# Altium PCB LoRaBoard.PcbDoc (part 1 of 2) (continued)
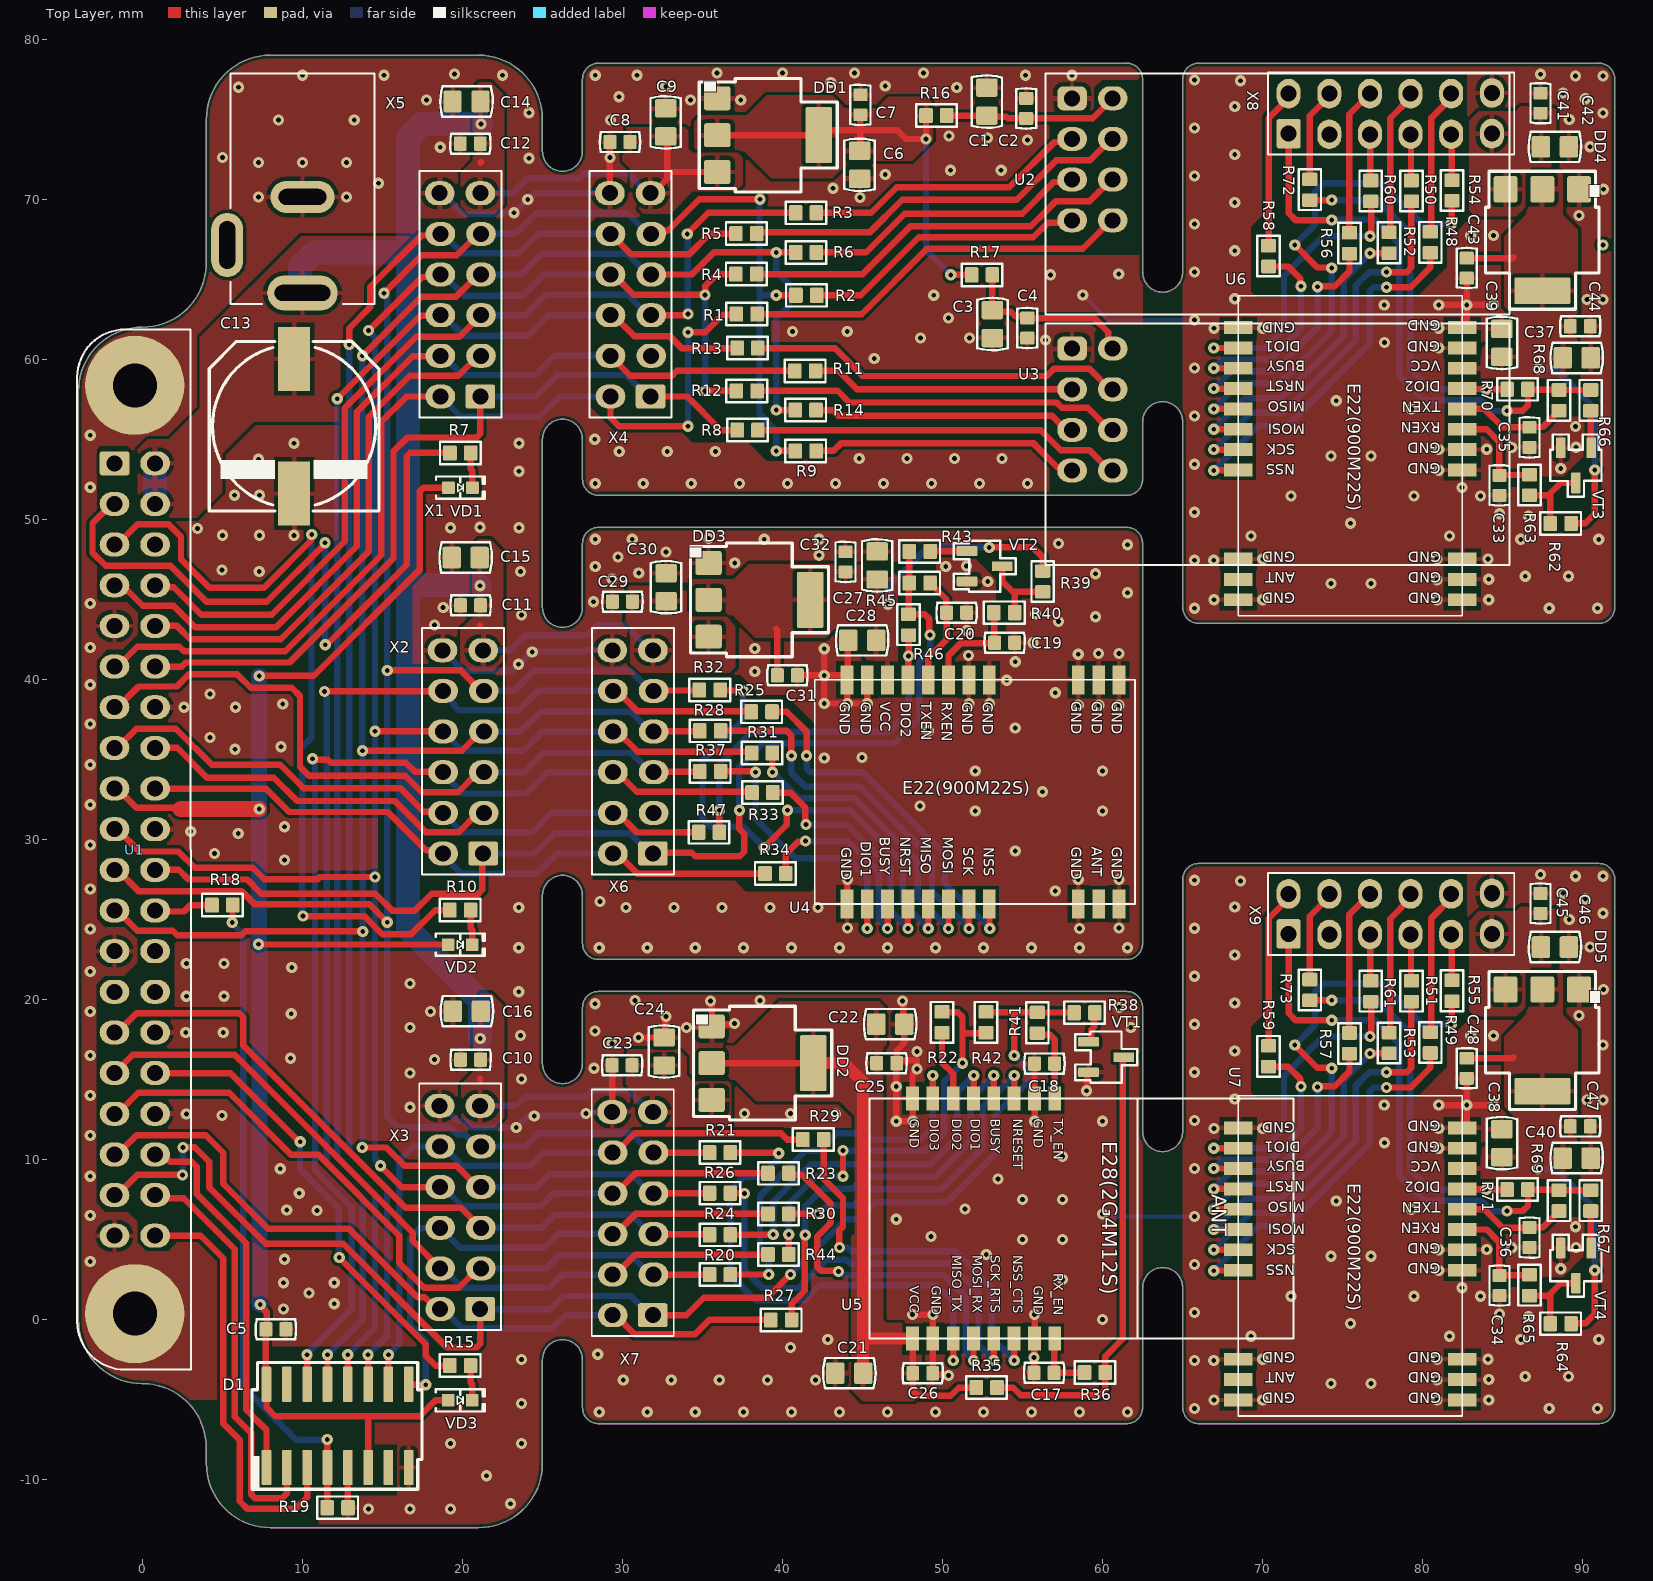
[diagram p0: Top Layer view]
## Footprints (in the part's own frame and the unit in brackets; to place one, negate y for a bottom-side part, rotate by r counter-clockwise, add the part's x,y. Pads: shape width x height; smd on the part's side, far side on the other; paste and mask are expansions set on the pad)
"CAP 0603_1608 RF" [mm] "Chip Capacitor, 2-Leads, Body 1.60x0.80mm, IPC High Density"
  rrect20% 0.8x0.9 smd: 1(-0.625,0) 2(0.625,0)
  silkscreen extent -1.26,-0.63 1.26,0.63, body extent -0.8,-0.41 0.8,0.41, height 0.82
"CAP 0805" [mm] "Chip Capacitor, 2-Leads, Body 2.00x1.20mm, IPC Medium Density"
  rrect20% 1.15x1.35 smd: 1(-0.875,0) 2(0.875,0)
  silkscreen extent -1.64,-0.95 1.64,0.95, body extent -1,-0.64 1,0.64, height 1.26
"CAP ALSMD ELEC 10.5x10.0 mm" [mm] "Electrolytic Cap, 10.3mm, L: 10mm"
  rect 4x2 smd: 1(-4.2,0) 2(4.2,0)
  silkscreen extent -5.3,-5.3 5.3,5.3, body extent -5.9,-5.25 5.9,5.25, height 10.5
DC-005-5A-2.5 [mm]
  oval 2.2x4.4 hole 1 slot 3.5 at 90 deg: 1(6,0)
  oval 2x4 hole 1 slot 3 at 90 deg: 2(0,0)
  oval 4x2 hole 1 slot 3 at 0 deg: 3(3,-4.7)
  silkscreen extent -7.7,-4.5 6.7,4.5, body extent -7.58,-4.85 7.02,4.5, height 11
"E22 900M22S" [mm] "20mm*14mm*2.8mm-S"
  rect 0.8x1.8 smd: 1(0,0) 2(-1.27,0) 3(-2.54,0) 4(-8.11,0) 5(-9.38,0) 6(-10.65,0) 7(-11.92,0) 8(-13.19,0) 9(-14.46,0) 10(-15.73,0) 11(-17,0) 12(-17,-14) 13(-15.73,-14) 14(-14.46,-14) 15(-13.19,-14) 16(-11.92,-14) 17(-10.65,-14) 18(-9.38,-14) 19(-8.11,-14) 20(-2.54,-14) 21(-1.27,-14) 22(0,-14)
  silkscreen extent -19,-14 1,0, body extent -19,-14 1,0, height 3.13
"E28 2G4M20S" [mm] "26.5mm*15mm*2.85mm-S"
  rect 0.8x1.5 smd: 1(-4.445,-7.5) 2(-3.175,-7.5) 3(-1.905,-7.5) 4(-0.635,-7.5) 5(0.635,-7.5) 6(1.905,-7.5) 7(3.175,-7.5) 8(4.445,-7.5) 9(4.445,7.5) 10(3.175,7.5) 11(1.905,7.5) 12(0.635,7.5) 13(-0.635,7.5) 14(-1.905,7.5) 15(-3.175,7.5) 16(-4.445,7.5)
  silkscreen extent -7.13,-7.5 19.37,7.5, body extent -7.14,-7.49 19.36,7.51, height 2.9
"LED 0603_1608 GREEN" [mm] "Chip Diode, 2-Leads, Body 1.60x0.80mm, IPC Medium Density"
  rrect20% 0.8x0.8 smd: 1(-0.75,0) 2(0.75,0)
  silkscreen extent -1.52,-0.7 1.52,0.7, body extent -0.8,-0.4 0.8,0.4, height 0.53
MODULE_RASPBERRYPI3_B+ [mm]
  rrect20% 1.5x1.85 hole 1: 1(-24.13,-1.27)
  oval 1.5x1.85 hole 1: 2(-24.13,1.27) 3(-21.59,-1.27) 4(-21.59,1.27) 5(-19.05,-1.27) 6(-19.05,1.27) 7(-16.51,-1.27) 8(-16.51,1.27) 9(-13.97,-1.27) 10(-13.97,1.27) 11(-11.43,-1.27) 12(-11.43,1.27) 13(-8.89,-1.27) 14(-8.89,1.27) 15(-6.35,-1.27) 16(-6.35,1.27) 17(-3.81,-1.27) 18(-3.81,1.27) 19(-1.27,-1.27) 20(-1.27,1.27) 21(1.27,-1.27) 22(1.27,1.27) 23(3.81,-1.27) 24(3.81,1.27) 25(6.35,-1.27) 26(6.35,1.27) 27(8.89,-1.27) 28(8.89,1.27) 29(11.43,-1.27) 30(11.43,1.27) 31(13.97,-1.27) 32(13.97,1.27) 33(16.51,-1.27) 34(16.51,1.27) 35(19.05,-1.27) 36(19.05,1.27) 37(21.59,-1.27) 38(21.59,1.27) 39(24.13,-1.27) 40(24.13,1.27)
  round 6.2 hole 2.75: S1(-29,0) S2(29,0)
  silkscreen extent -32.5,-3.6 32.5,3.5, body extent -35.01,-54.97 54.41,3.5, height 14
NRF24L01P-MODULE [mm]
  rrect50% 1.85x1.5 hole 1: 1(-15.284,5.669)
  oval 1.85x1.5 hole 1: 2(-12.745,5.669) 3(-15.284,3.129) 4(-12.745,3.129) 5(-15.284,0.589) 6(-12.745,0.589) 7(-15.284,-1.951) 8(-12.744,-1.951)
  silkscreen extent -16.95,-7.85 12.05,7.22, body extent -16.91,-7.83 12.09,7.17, height 3.52
PLD_12_elipse [mm]
  rrect20% 1.85x1.5 hole 1: 1(-1.25,6.35)
  oval 1.85x1.5 hole 1: 2(1.25,6.35) 3(-1.29,3.81) 4(1.25,3.81) 5(-1.29,1.27) 6(1.25,1.27) 7(-1.29,-1.27) 8(1.25,-1.27) 9(-1.29,-3.81) 10(1.25,-3.81) 11(-1.25,-6.35) 12(1.29,-6.35)
  silkscreen extent -2.56,-7.75 2.56,7.65, body extent -2.52,-7.62 2.56,7.62, height 8.7
"RES 0603_1608" [mm] "Chip Resistor, 2-Leads, Body 1.60x0.80mm, IPC Medium Density"
  rrect20% 0.85x0.95 smd: 1(-0.65,0) 2(0.65,0)
  silkscreen extent -1.27,-0.7 1.27,0.7, body extent -0.8,-0.4 0.8,0.4, height 0.45
SO-16 [mm] "Small Outline; 16 Leads; Body Width 3.9 mm; Pitch 1.27 mm"
  rrect20% 0.6x2.2 smd: 1(-4.445,-2.6) 2(-3.175,-2.6) 3(-1.905,-2.6) 4(-0.635,-2.6) 5(0.635,-2.6) 6(1.905,-2.6) 7(3.175,-2.6) 8(4.445,-2.6) 9(4.445,2.6) 10(3.175,2.6) 11(1.905,2.6) 12(0.635,2.6) 13(-0.635,2.6) 14(-1.905,2.6) 15(-3.175,2.6) 16(-4.445,2.6)
  silkscreen extent -5.35,-3.97 5.27,3.96, body extent -4.95,-3.05 5.05,3.15, height 1.64
SOT23-3 [mm]
  rrect20% 0.6x1.3 smd: 1(-0.95,-1.1) 2(0.95,-1.1) 3(0,1.1)
  silkscreen extent -1.6,-1.93 1.6,1.96, body extent -1.56,-1.25 1.56,1.25, height 1.1
SOT223 [mm]
  rrect20% 1.5x1.65 smd: 1(-2.3,-3.175) 2(0,-3.175) 3(2.3,-3.175)
  rrect10% 3.5x1.65 smd: 4(0,3.175)
  silkscreen extent -3.55,-4.3 3.55,4.33, body extent -3.35,-3.48 3.35,3.48, height 1.8

## Part data
C1 C3 C6 C9 C14 C15 C16 C21 C22 C24 C27 C28 C30 C37 C38 C39 C40 C42 C46: library part Capacitor, "10мкФ X5R 16В 10% 0805, CC0805KKX5R7BB106", Part Number=CC0805KKX5R7BB106
C2 C4 C5 C7 C8 C10 C11 C12 C17 C18 C19 C20 C23 C25 C26 C29 C31 C32 C33 C34 C35 C36 C41 C43 C44 C45 C47 C48: library part Capacitor, "CC0603JPX7R9BB104, 50V 100nF X7R 5% 0603", Part Number=CC0603JPX7R9BB104
C13: library part "CAP ALSMD ELEC", "ECAP SMD, 330 мкФ, 35 В, 105°C, 20% 10x10.5мм, JCK1V331M100105", Part Number="ECAP SMD, 330 мкФ, 35 В, 105°C, 20% 10x10.5мм, JCK1V331M100105"
D1: "3-to-8 line decoder/demultiplexer"
DD1 DD2 DD3 DD4 DD5: "800mA Low-Dropout Linear Regulator"
R1 R2 R3 R4 R5 R6 R8 R9 R11 R12 R13 R14 R16 R17 R20 R21 R22 R23 R24 R25 R26 R27 R28 R29 R30 R31 R32 R33 R34 R36 R37 R40 R41 R44 R45 R47 R48 R49 R50 R51 R52 R53 R54 R55 R56 R57 R58 R59 R60 R61 R63 R65 R68 R69 R72 R73: library part Resistor, "0.1Вт 0603 100 Ом, 5%, RC0603JR-07100RL", Part Number=RC0603JR-07100RL, Type=Резистор
R7 R10 R15: library part Resistor, "0.1Вт 0603 100 Ом, 5%, RC0603JR-07470RL", Part Number=RC0603JR-07470RL, Type=Резистор
R18 R19 R38 R42 R43 R46 R66 R67 R70 R71: library part Resistor, "0.1Вт 0603 1 кОм, 5%, RC0603JR-071KL", Part Number=RC0603JR-071KL, Type=Резистор
R35 R39 R62 R64: library part Resistor, "0.1Вт 0603 100 кОм, 5%, RC0603JR-071KL", Part Number=RC0603JR-07100KL, Type=Резистор
U1: "1.4GHz 64-bit quad-core processor, dual-band wireless LAN, Bluetooth 4.2/BLE, faster Ethernet, and Power-over-Ethernet support (with separate PoE HAT)", Package=None, Availability=Unavailable, MF="Raspberry Pi Foundation (NF)", MP=RASPBERRYPI3_B+, Price=None, SnapEDA_Link=https://www.snapeda.com/parts/RASPBERRYPI4%204GB/Raspberry%20Pi/view-part/3832294/?ref=snap
U2 U3: "- Transceiver For Use With nRF24L01+", Package=None, Availability=Bad, MF="Nordic Semiconductor", Mouser-Purchase-URL=https://snapeda.com/shop?store=Mouser&id=230534, MP=NRF24L01P-MODULE-PCB, Price=None, SnapEDA_Link=https://www.snapeda.com/parts/NRF24L01P-MODULE-PCB/Nordic%20Semiconductor%20ASA/view-part/230534/?ref=snap
U4 U6 U7: "E22-900M22S Ebyte -147dBm 22.3dBm 7km SPI SMD,14x20mm LoRa Modules", Manufacturer=EBYTE, Package=14x20mm, Temperature Range="-40…+85 °C", Number of Pins=22, Number of Rows=2, Part Number=E22-900M22S, Pitch=1.27
U5: "E28-2G4M20S Ebyte  -132dBm 21dBm 6km SPI SMD,15x26.5mm LoRa Modules", Manufacturer=EBYTE, Package=15x26.5mm, Temperature Range="-40…+85 °C", Number of Pins=16, Number of Rows=2, Part Number=E28-2G4M20S, Pitch=1.27
VT1 VT2 VT3 VT4: library part 2N7002ET1G, "MOSFET-N-60V-0.3A", Drain Current=0.3A, Drain Source Voltage=60V, Gate Source Voltage=±20V, Manufacturer="ON Semiconductor", On Drain Source Resistance=0.2Ohm, Package=SOT-23, Power Disspansion=0.5W, Temperature Range=-55…+150°C, Number of Channels=1, Part Number=2N7002ET1G, Polarity=N-Channel
X1 X2 X3 X4 X6 X7 X8 X9: library part PLD-12, "2.54mm PIN Header 2X6P Straight Type H=2.5mm Full Gold Flash Plating.", Published=07.03.2013, Publisher="Andrew Danich", Type=Вилка
X5: "DC Power Receptacle Jack, Through Hole, Right Angle", MP=DC-005-5A-2.5

## Via types
v1: diameter 0.7, hole 0.3, Top Layer to Bottom Layer, tented both sides, 612 vias

## Nets (pads, with @x,y where several pads share a name; then routed paths per layer and width w, separated by ;. In a path a pad name is that pad's centre, name@x,y a point inside that pad or via, vN(x,y) a via of type N, cw(c..) or ccw(c..) an arc to the next point about the centre after c; other vN are vias at no path point)
3V3: C5.2 D1.6 D1.16 U1.17 VD1.1 VD2.1 VD3.1 | length 102
  Top Layer w0.4: U1.17@-1.74,33.18 -1.565,33.18 -0.365,31.98 2.32,31.98 2.4,31.9 ; v1(7.264,23.453) 7.28,23.437 19.092,23.437 VD2.1@19.108,23.421 ; v1(7.304,40.221) 10.712,40.221 17.321,46.83 17.321,51.744 17.555,51.978 VD1.1@19.12,51.978 ; v1(7.373,0.94) 7.373,0.859 7.762,0.47 7.762,-0.566 C5.2@7.718,-0.61 ; C5.2@7.708,-0.642 7.708,-3.993 D1.16@7.757,-4.042 7.757,-5.482 8.307,-6.032 14.107,-6.032 17.325,-6.032 18.316,-5.041 VD3.1@19.11,-5.041 ; D1.6@14.107,-9.242 14.107,-6.107
  Top Layer w1: 2.4,31.9 v1(7.3,31.9)
  Bottom Layer w1: v1(7.304,40.221) 7.304,40.195 7.3,40.19 v1(7.3,31.9) 7.3,23.49 v1(7.264,23.453) 7.318,23.399 7.318,0.996 v1(7.373,0.94)
3V3_1: C1.2 C2.2 R16.2 U2.2 | length 11
  Top Layer w0.4: R16.2@50.263,75.226 C1.2@52.763,75.226 52.838,75.151 53.963,75.151 54.063,75.051 C2.2@55.218,75.051 55.418,75.051 59.377,75.051 U2.2@60.631,76.305
3V3_2: C3.2 C4.2 R17.2 U3.2 | length 11.1
  Top Layer w0.4: R17.2@53.113,65.276 C3.2@53.113,63.076 53.21,62.979 54.245,62.979 54.539,62.685 55.185,62.685 C4.2@55.294,62.577 59.462,62.577 60.353,61.686 60.353,60.942 U3.2@60.629,60.666
3V3_3: C27.2 C28.2 C31.2 C32.2 DD3.2 DD3.4 R39.1 U4.9 | length 15.8
  Top Layer w0.4: 39.613,43.17 39.677,43.107 C31.2@39.677,40.25 ; v1(52.912,48.244) 55.646,48.244 56.239,47.651 56.239,46.786 R39.1@56.256,46.769
  Bottom Layer w0.4: v1(46.587,44.694) 46.602,44.709 46.602,45.794 49.052,48.244 v1(52.912,48.244)
3V3_4: C21.2 C22.2 C25.2 C26.2 DD2.2 DD2.4 R35.1 U5.1 | length 38.8
  Top Layer w0.4: DD2.2@35.568,16.023 DD2.4@41.918,16.023 ; U5.1@48.121,-1.177 48.131,-1.187 48.131,-3.342 C26.2@48.141,-3.352 48.141,-4.457 48.434,-4.75 50.5,-4.75 51,-4.25 R35.1@52.1,-4.25
  Top Layer w0.75: DD2.4@41.918,16.023 43.868,16.023 45.025,14.867 45.025,-1.187 45.025,-3.325 C21.2@45.05,-3.35 ; 45.041,-1.187 U5.1@48.131,-1.187 ; C22.2@45.855,18.458 C22.2@45.868,18.446
3V3_5: C38.2 C40.2 C47.2 C48.2 DD5.2 DD5.4 R64.1 U7.9 | length 15.8
  Top Layer w0.4: C48.2@82.75,16.323 85.606,16.323 85.67,16.387 ; R64.1@89.269,-0.256 89.286,-0.239 90.151,-0.239 90.744,0.354 v1(90.744,3.088)
  Bottom Layer w0.4: v1(87.194,9.413) 87.209,9.398 88.294,9.398 90.744,6.948 v1(90.744,3.088)
3V3_6: C37.2 C39.2 C43.2 C44.2 DD4.2 DD4.4 R62.1 U6.9 | length 15.8
  Top Layer w0.4: C43.2@82.75,66.323 85.606,66.323 85.67,66.387 ; R62.1@89.269,49.744 89.286,49.761 90.151,49.761 90.744,50.354 v1(90.744,53.088)
  Bottom Layer w0.4: v1(87.194,59.413) 87.209,59.398 88.294,59.398 90.744,56.948 v1(90.744,53.088)
5V0: C8.2 C9.2 C10.2 C11.2 C12.2 C13.1 C14.2 C15.2 C16.2 C23.2 C24.2 C29.2 C30.2 DD1.3 DD2.3 DD3.3 U1.2 U1.4 X1.11 X2.11 X3.11 X4.11 X5.1 X6.11 X7.11 | length 122.5
  Top Layer w0.4: C15.2@21.077,47.613 C15.2@21.088,47.602 ; v1@21.088,45.863 v1@21.116,45.835 ; 21.101,43.316 21.094,43.323 21.113,43.343 ; 21.108,15.03 21.121,15.042 ; C11.2@21.113,44.602 C11.2@21.133,44.621 C11.2@21.116,44.638 ; X1.11@21.12,70.376 X1.11@21.144,70.4 ; C10.2@21.121,16.23 C10.2@21.133,16.243 C10.2@21.121,16.254 ; v1@21.121,17.558 v1(21.11,17.57) v1@21.131,17.592 ; C16.2@21.131,19.245 C16.2@21.153,19.266 ; C14.2@21.131,76.108 C14.2@21.146,76.093 ; C12.2@21.137,73.499 C12.2@21.115,73.477 C12.2@21.141,73.451 ; v1@21.137,74.679 v1(21.16,74.701) v1@21.146,74.716 ; 21.141,72.328 21.167,72.302 21.144,72.278 ; X2.11@21.288,41.826 X2.11@21.295,41.819 ; C8.2@30.463,73.576 30.463,73.6 C8.2@30.613,73.75 ; X4.11@31.753,70.376 31.888,70.376 32.788,71.276 32.788,71.651 ; C9.2@32.525,73.75 C9.2@32.7,73.925 32.788,73.837 32.788,71.651 ; DD1.3@35.921,71.701 32.838,71.701 32.788,71.651
  Bottom Layer w0.4: X3.11@21.11,13.357 23.357,13.357 23.925,13.925 27.727,13.925 28.127,14.325 30.364,14.325 31.716,12.973 X7.11@31.891,12.973 ; X1.11@21.12,70.376 23.128,70.376 24.063,71.312 27.312,71.312 27.625,71.625 30.329,71.625 31.578,70.376 X4.11@31.753,70.376 ; X2.11@21.295,41.819 22.994,41.819 23.944,42.769 27.798,42.769 28.425,43.396 30.15,43.396 31.727,41.819 X6.11@31.902,41.819
  Bottom Layer w1.5: U1.4@0.8,50.96 U1.2@0.8,53.5 ; X5.1@10.004,64.143 9.864,64.283 9.864,65.802 10.743,66.681 16.606,66.681 ; v1(21.099,45.852) 21.066,45.886 16.606,45.886 ; v1(21.11,17.57) 21.11,19.908 16.606,24.412 16.606,45.886 ; v1(21.16,74.701) 21.146,74.716 17.485,74.716 16.606,73.837 16.606,66.681 ; 16.606,45.886 16.606,66.681
5V0_5: C45.2 C46.2 DD5.3 X9.11
5V0_6: C41.2 C42.2 DD4.3 X8.11
\C\S\3: D1.4 R18.1 R19.1 | length 41.1
  Top Layer w0.4: v1(5.618,24.813) 5.634,24.83 5.634,25.884 R18.1@5.65,25.9 ; v1(11.552,-7.5) 11.559,-7.508 11.559,-9.234 D1.4@11.567,-9.242 11.559,-9.249 11.559,-11.559 R19.1@11.6,-11.6
  Bottom Layer w0.4: v1(5.618,24.813) 5.618,24.759 6.3,24.077 6.3,-4.2 9.6,-7.5 v1(11.552,-7.5)
BUSY_1: R1.2 U1.11 X1.2 X4.2 | length 59.9
  Top Layer w0.4: U1.11@-1.74,40.8 -1.565,40.8 -0.321,42.044 2.315,42.044 2.601,41.758 8.927,41.758 14.933,47.764 14.933,56.09 16.519,57.676 X1.2@18.62,57.676 ; X4.2@29.253,57.676 29.253,56.342 29.778,55.817 v1(34.096,55.817) ; v1(34.096,61.684) 35.163,61.684 36.253,62.775 37.062,62.775 R1.2@37.113,62.826
  Bottom Layer w0.4: X1.2@18.62,57.676 19.895,56.401 24.792,56.401 26.067,57.676 X4.2@29.253,57.676 ; v1(34.096,55.817) v1(34.096,61.684)
BUSY_2: R8.2 U1.12 X1.1 X4.1 | length 50.6
  Top Layer w0.4: U1.12@0.8,40.8 2.449,40.8 2.706,41.057 9.191,41.057 15.696,47.562 15.696,54.246 16.563,55.114 20.885,55.114 21.12,55.348 X1.1@21.12,57.676 ; X4.1@31.753,57.676 34.04,57.676 36.14,55.576 R8.2@37.163,55.576
  Bottom Layer w0.4: X1.1@21.12,57.676 24.576,57.676 25.916,59.016 30.238,59.016 31.578,57.676 X4.1@31.753,57.676
BUSY_3: R34.2 U1.18 X2.2 X6.2 | length 41.4
  Top Layer w0.4: U1.18@0.8,33.18 7.714,33.18 9.177,31.717 15.332,31.717 17.72,29.329 18.585,29.329 X2.2@18.795,29.119 ; X6.2@29.402,29.119 29.677,29.119 30.927,27.869 R34.2@38.902,27.869
  Bottom Layer w0.4: X2.2@18.795,29.119 18.795,28.997 19.922,27.869 24.639,27.869 25.889,29.119 X6.2@29.402,29.119
BUSY_4: R27.2 U1.35 X3.2 X7.2 | length 48.8
  Top Layer w0.4: U1.35@-1.74,10.32 -1.565,10.32 -0.365,11.52 3.954,11.52 3.962,11.511 5.054,10.419 5.054,8.481 7.853,5.683 12.91,5.683 17.196,1.397 17.65,1.397 18.39,0.657 X3.2@18.61,0.657 ; X7.2@29.391,0.273 29.566,0.273 30.766,-0.927 34.525,-0.927 35.434,-0.018 R27.2@39.266,-0.018
  Bottom Layer w0.4: X3.2@18.61,0.657 18.785,0.657 19.985,-0.543 25.632,-0.543 26.448,0.273 X7.2@29.391,0.273
BUSY_5: R59.2 X9.2 | length 10
  Top Layer w0.4: R59.2@70.369,17.098 70.369,25.073 71.619,26.323 X9.2@71.619,26.598
BUSY_6: R58.2 X8.2 | length 10
  Top Layer w0.4: R58.2@70.369,67.098 70.369,75.073 71.619,76.323 X8.2@71.619,76.598
C\S\_\1\: D1.11 R5.1 X1.10 X4.10 | length 96.9
  Top Layer w0.4: v1(12.929,60.928) 12.929,61.945 14.248,63.265 14.248,64.542 17.439,67.733 18.517,67.733 X1.10@18.62,67.836 ; D1.11@14.107,-4.042 v1(14.107,-2.2) ; X4.10@29.253,67.836 30.538,66.551 34.158,66.551 35.458,67.851 R5.1@37.088,67.851
  Bottom Layer w0.4: v1(12.929,60.928) 12.929,10.498 15.285,8.142 15.285,-1.022 v1(14.107,-2.2) ; X1.10@18.62,67.836 18.795,67.836 19.995,66.636 23.528,66.636 24.728,67.836 X4.10@29.253,67.836
C\S\_\2\: D1.12 R13.1 X1.6 X4.6 | length 92.3
  Top Layer w0.4: v1(12.179,57.539) 17.364,62.725 18.588,62.725 X1.6@18.62,62.756 ; D1.12@12.837,-4.042 v1(12.837,-2.2) ; X4.6@29.253,62.756 29.428,62.756 30.733,61.451 32.938,61.451 33.688,60.701 R13.1@37.163,60.701
  Bottom Layer w0.4: v1(12.179,57.539) 12.179,10.161 14.534,7.805 14.534,-0.502 v1(12.837,-2.2) ; X1.6@18.62,62.756 18.795,62.756 20.07,61.481 24.082,61.481 25.357,62.756 X4.6@29.253,62.756
C\S\_\3\: D1.13 R25.2 X2.10 X6.10 | length 73.5
  Top Layer w0.4: v1(11.389,39.237) 11.41,39.258 18.774,39.258 X2.10@18.795,39.279 ; D1.13@11.567,-4.042 v1(11.567,-2.2) ; X6.10@29.402,39.279 29.677,39.279 30.937,38.019 37.998,38.019 R25.2@38.043,37.974
  Bottom Layer w0.4: v1(11.389,39.237) 11.446,39.18 11.446,38.968 11.522,38.892 11.522,9.788 13.772,7.537 13.772,0.006 v1(11.567,-2.2) ; X2.10@18.795,39.279 18.795,39.157 19.496,38.456 19.496,38.362 19.779,38.079 23.522,38.079 24.722,39.279 X6.10@29.402,39.279
C\S\_\4\: D1.10 R29.1 X3.10 X7.10 | length 41.3
  Top Layer w0.4: D1.10@15.377,-4.042 v1(15.377,-2.2) ; X7.10@29.391,10.433 29.566,10.433 30.766,11.633 39.907,11.633 40.292,11.248 R29.1@41.268,11.248
  Bottom Layer w0.4: v1(15.377,-2.2) 16.06,-1.516 16.06,9.942 16.935,10.817 X3.10@18.61,10.817 18.785,10.817 19.985,9.617 24.267,9.617 25.083,10.433 X7.10@29.391,10.433
C\S\_\5\: R49.2 X9.10 | length 9.2
  Top Layer w0.4: R49.2@80.474,17.957 80.519,18.002 80.519,25.063 81.779,26.323 X9.10@81.779,26.598
C\S\_\6\: R48.2 X8.10 | length 9.2
  Top Layer w0.4: R48.2@80.474,67.957 80.519,68.002 80.519,75.063 81.779,76.323 X8.10@81.779,76.598
CE_1: R3.1 U1.8 X1.5 X4.5 | length 60.1
  Top Layer w0.4: U1.8@0.8,45.88 0.916,45.764 1.968,45.764 3.685,44.048 8.08,44.048 12.655,48.623 12.655,56.955 17.116,61.416 19.816,61.416 21.156,62.756 X1.5@21.16,62.756 ; X4.5@31.793,62.756 33.972,62.756 34.042,62.826 v1(34.096,62.826) ; v1(34.042,67.836) 34.042,67.84 35.353,69.151 R3.1@40.818,69.151
  Bottom Layer w0.4: X1.5@21.16,62.756 23.937,62.756 25.216,64.036 30.338,64.036 31.618,62.756 X4.5@31.793,62.756 ; v1(34.042,67.836) 34.069,67.809 34.069,62.853 v1(34.096,62.826)
CE_2: R11.1 U1.7 X1.4 X4.4 | length 56.4
  Top Layer w0.4: U1.7@-1.74,45.88 -1.267,45.88 -0.866,45.479 -0.857,45.479 0.017,44.605 1.951,44.605 3.295,43.261 8.35,43.261 13.4,48.31 13.4,56.712 16.888,60.2 X1.4@17.9,60.2 ; X1.4@18.613,60.21 X1.4@18.62,60.216 ; X4.4@29.253,60.216 30.493,58.976 33.088,58.976 33.388,59.276 R11.1@40.763,59.276
  Bottom Layer w0.4: X1.4@18.62,60.216 18.795,60.216 19.995,59.016 24.544,59.016 25.744,60.216 X4.4@29.253,60.216
DI2_3: R46.1 R47.2 U4.8 | length 23.7
  Top Layer w0.4: v1(36.052,31.819) v1(36.052,31.819) R47.2@36.054,30.444 R47.2@36.054,30.444 ; U4.8@47.832,39.969 47.854,39.992 47.854,41.447 v1(47.877,41.469) R46.1@47.877,42.769
  Bottom Layer w0.4: v1(36.052,31.819) 36.052,34.676 38.096,36.721 46.621,36.721 47.877,37.977 v1(47.877,41.469)
DI2_4: R22.2 R42.1 R44.2 | length 26.3
  Top Layer w0.4: R44.2@40.391,4.063 v1(40.391,5.326) ; v1(43.775,8.953) v1(43.775,10.569) ; R22.2@49.966,19.223 50.162,19.223 50.191,19.194 50.948,19.194 51.241,18.902 51.241,17.898 ; v1(51.241,16.023) 51.241,17.898 ; R42.1@52.716,17.923 52.691,17.898 51.241,17.898
  Bottom Layer w0.4: v1(40.391,5.326) 40.391,7.234 42.112,8.954 v1(43.775,8.953) v1(43.775,8.953) ; v1(43.775,10.569) 43.801,10.543 48.968,10.543 50.115,11.69 50.115,14.898 v1(51.241,16.023)
DI2_5: R71.1 R73.2 U7.8 | length 23.7
  Top Layer w0.4: R73.2@72.944,19.947 72.945,19.947 74.318,19.947 v1(74.319,19.948) ; U7.8@82.469,8.168 82.491,8.146 83.946,8.146 v1(83.969,8.123) R71.1@85.269,8.123
  Bottom Layer w0.4: v1(74.319,19.948) 77.176,19.948 79.221,17.904 79.221,9.379 80.476,8.123 v1(83.969,8.123)
DI2_6: R70.1 R72.2 U6.8 | length 23.7
  Top Layer w0.4: R72.2@72.944,69.946 72.945,69.947 74.318,69.947 v1(74.319,69.948) ; U6.8@82.469,58.168 82.491,58.146 83.946,58.146 v1(83.969,58.123) R70.1@85.269,58.123
  Bottom Layer w0.4: v1(74.319,69.948) 77.176,69.948 79.221,67.904 79.221,59.379 80.476,58.123 v1(83.969,58.123)
DIO1_1: U1.10 X1.3 | length 33
  Top Layer w0.4: U1.10@0.8,43.34 2.168,43.34 2.998,42.51 8.658,42.51 14.139,47.991 14.139,56.407 16.708,58.976 19.744,58.976 20.985,60.216 X1.3@21.16,60.216
DIO1_3: R37.2 U1.13 X2.5 X6.5 | length 44.6
  Top Layer w0.4: U1.13@-1.7,38.1 -0.241,39.559 2.151,39.559 2.913,40.321 5.919,40.321 6.769,39.471 9.341,39.471 9.848,38.965 9.848,34.539 10.413,33.974 16.432,33.974 17.449,32.957 19.731,32.957 20.973,34.199 X2.5@21.335,34.199 ; X6.5@31.942,34.199 31.967,34.224 34.804,34.224 R37.2@34.829,34.249
  Bottom Layer w0.4: X2.5@21.335,34.199 23.877,34.199 25.077,35.399 30.567,35.399 31.767,34.199 X6.5@31.942,34.199
DIO1_4: R24.2 U1.29 X3.5 X7.5 | length 45.1
  Top Layer w0.4: U1.29@-1.74,17.94 -1.565,17.94 -0.365,19.14 6.045,19.14 6.3,18.885 6.3,17.126 16.447,6.979 19.907,6.979 X3.5@21.15,5.737 ; X7.5@31.931,5.353 31.958,5.326 35.438,5.326 R24.2@35.466,5.298
  Bottom Layer w0.4: X3.5@21.15,5.737 24.962,5.737 25.778,6.553 30.556,6.553 31.756,5.353 X7.5@31.931,5.353
DIO1_5: R61.2 X9.5 | length 2.9
  Top Layer w0.4: X9.5@76.699,24.058 76.724,24.033 76.724,21.197 R61.2@76.749,21.172
DIO1_6: R60.2 X8.5 | length 2.9
  Top Layer w0.4: X8.5@76.699,74.058 76.724,74.033 76.724,71.196 R60.2@76.749,71.171
DIO2_3: R47.1 U1.15 X2.4 X6.4 | length 40.7
  Top Layer w0.4: U1.15@-1.74,35.72 -1.565,35.72 -0.365,36.92 2.088,36.92 4.348,34.66 8.623,34.66 10.083,33.2 16.133,33.2 17.592,31.74 18.714,31.74 X2.4@18.795,31.659 ; X6.4@29.402,31.659 29.677,31.659 30.902,30.434 33.331,30.434 33.341,30.444 R47.1@34.754,30.444
  Bottom Layer w0.4: X2.4@18.795,31.659 18.795,31.648 19.983,30.459 21.997,30.459 24.359,30.459 25.559,31.659 X6.4@29.402,31.659
DIO2_4: R44.1 U1.31 X3.4 X7.4 | length 48.5
  Top Layer w0.4: U1.31@-1.74,15.4 -0.59,16.55 5.763,16.55 6.545,15.768 16.887,5.426 16.887,4.92 X3.4@18.61,3.197 ; X7.4@29.391,2.813 29.566,2.813 30.816,4.063 R44.1@39.116,4.063
  Bottom Layer w0.4: X3.4@18.61,3.197 18.785,3.197 19.985,1.997 25.422,1.997 26.238,2.813 X7.4@29.391,2.813
DIO2_5: R73.1 X9.4 | length 5.9
  Top Layer w0.4: R73.1@72.944,21.247 72.944,25.208 74.159,26.423 X9.4@74.159,26.598
DIO2_6: R72.1 X8.4 | length 5.9
  Top Layer w0.4: R72.1@72.944,71.246 72.944,75.208 74.159,76.423 X8.4@74.159,76.598
DIO3_3: U1.16 X2.3 | length 23.2
  Top Layer w0.4: U1.16@0.8,35.72 2.188,35.72 4.044,33.864 8.209,33.864 9.671,32.402 15.777,32.402 17.72,30.459 19.773,30.459 20.973,31.659 X2.3@21.335,31.659
DIO3_4: R20.2 U1.33 X3.3 X7.3 | length 45.1
  Top Layer w0.4: U1.33@-1.74,12.86 -1.565,12.86 -0.256,14.169 5.431,14.169 9.312,10.289 11.021,10.289 16.06,5.249 16.06,3.54 17.603,1.997 19.775,1.997 20.975,3.197 X3.3@21.15,3.197 ; X7.3@31.931,2.813 R20.2@35.441,2.813
  Bottom Layer w0.4: X3.3@21.15,3.197 25.222,3.197 26.038,4.013 30.556,4.013 31.756,2.813 X7.3@31.931,2.813
EN_TX_3: R43.1 R45.1 R46.2 U1.22 X2.1 X6.1 | length 71.8
  Top Layer w0.4: U1.22@0.8,28.1 2.281,28.1 2.885,27.496 6.556,27.496 7.438,26.614 14.547,26.614 15.625,25.536 17.003,25.536 18.082,26.614 21.006,26.614 21.241,26.849 21.241,29.065 X2.1@21.295,29.119 ; X6.1@31.902,29.119 31.952,29.169 34.327,29.169 34.552,28.944 37.323,28.944 37.616,29.237 37.616,30.344 37.302,30.658 v1(37.302,31.819) ; R43.1@47.917,47.994 R45.1@47.917,46.019 47.897,45.999 47.897,44.089 R46.2@47.877,44.069 48.886,44.069 49.178,43.776 49.178,42.808 v1(49.217,42.769)
  Bottom Layer w0.4: X2.1@21.295,29.119 24.49,29.119 25.763,30.392 30.454,30.392 31.727,29.119 X6.1@31.902,29.119 ; v1(37.302,31.819) 37.302,34.545 38.757,36 46.978,36 48.552,37.574 48.552,41.116 49.217,41.781 v1(49.217,42.769)
EN_TX_4: R38.1 R41.1 R42.2 U1.37 X3.1 X7.1 | length 86.2
  Top Layer w0.4: U1.37@-1.74,7.78 -1.565,7.78 -0.301,9.044 v1(2.508,9.044) ; v1(2.534,10.761) 3.285,10.761 4.19,9.856 4.19,8.251 7.708,4.734 12.556,4.734 19.034,-1.744 20.875,-1.744 21.11,-1.51 X3.1@21.11,0.657 ; X7.1@31.891,0.273 33.977,0.273 35.071,1.367 39.04,1.367 v1(40.491,2.818) ; R42.2@52.716,19.223 52.728,19.211 54.471,19.211 ; v1(54.471,16.5) 54.471,19.211 ; R38.1@58.216,19.173 58.203,19.186 55.928,19.186 R41.1@55.916,19.198 55.903,19.211 54.471,19.211
  Bottom Layer w0.4: v1(2.508,9.044) 2.521,9.057 2.521,10.749 v1(2.534,10.761) ; X3.1@21.11,0.657 25.507,0.657 26.323,1.473 30.516,1.473 31.716,0.273 X7.1@31.891,0.273 ; v1(40.491,2.818) 43.94,6.268 44.762,6.268 45.822,7.327 50.271,7.327 53.318,10.373 53.318,12.83 55.314,14.827 55.314,15.656 v1(54.471,16.5)
EN_TX_5: R67.1 R69.1 R71.2 X9.1 | length 35
  Top Layer w0.4: X9.1@71.619,24.098 71.619,19.131 72.052,18.698 v1(74.319,18.698) ; v1(85.269,6.783) 86.236,6.783 86.576,7.123 R71.2@86.576,8.116 ; R71.2@86.569,8.123 R71.2@86.576,8.116 ; R67.1@90.494,8.083 R69.1@88.519,8.083 88.499,8.103 86.589,8.103 R71.2@86.576,8.116
  Bottom Layer w0.4: v1(74.319,18.698) 74.332,18.712 77.04,18.712 78.52,17.231 78.52,9.01 80.094,7.436 83.636,7.436 84.301,6.772 v1@85.289,6.772
EN_TX_6: R66.1 R68.1 R70.2 X8.1 | length 35
  Top Layer w0.4: X8.1@71.619,74.098 71.619,69.131 72.052,68.698 v1(74.319,68.698) ; v1(85.269,56.783) 86.236,56.783 86.576,57.123 R70.2@86.576,58.116 ; R70.2@86.569,58.123 R70.2@86.576,58.116 ; R66.1@90.494,58.083 R68.1@88.519,58.083 88.499,58.103 86.589,58.103 R70.2@86.576,58.116
  Bottom Layer w0.4: v1(74.319,68.698) 74.332,68.711 77.04,68.711 78.52,67.231 78.52,59.01 80.094,57.436 83.636,57.436 84.301,56.771 v1@85.289,56.771